# Altium PCB mod_duo_x_cb.PcbDoc
Units mm, origin at the board's own origin, x right, y up, seen from the top; angles counter-clockwise.
Board outline 76 x 68 mm, 4 copper layers (Top Layer, VCC, GND, Bottom Layer), stack 0.739 mm thick; 33 components, 184 nets, 380 pads, 326 vias.
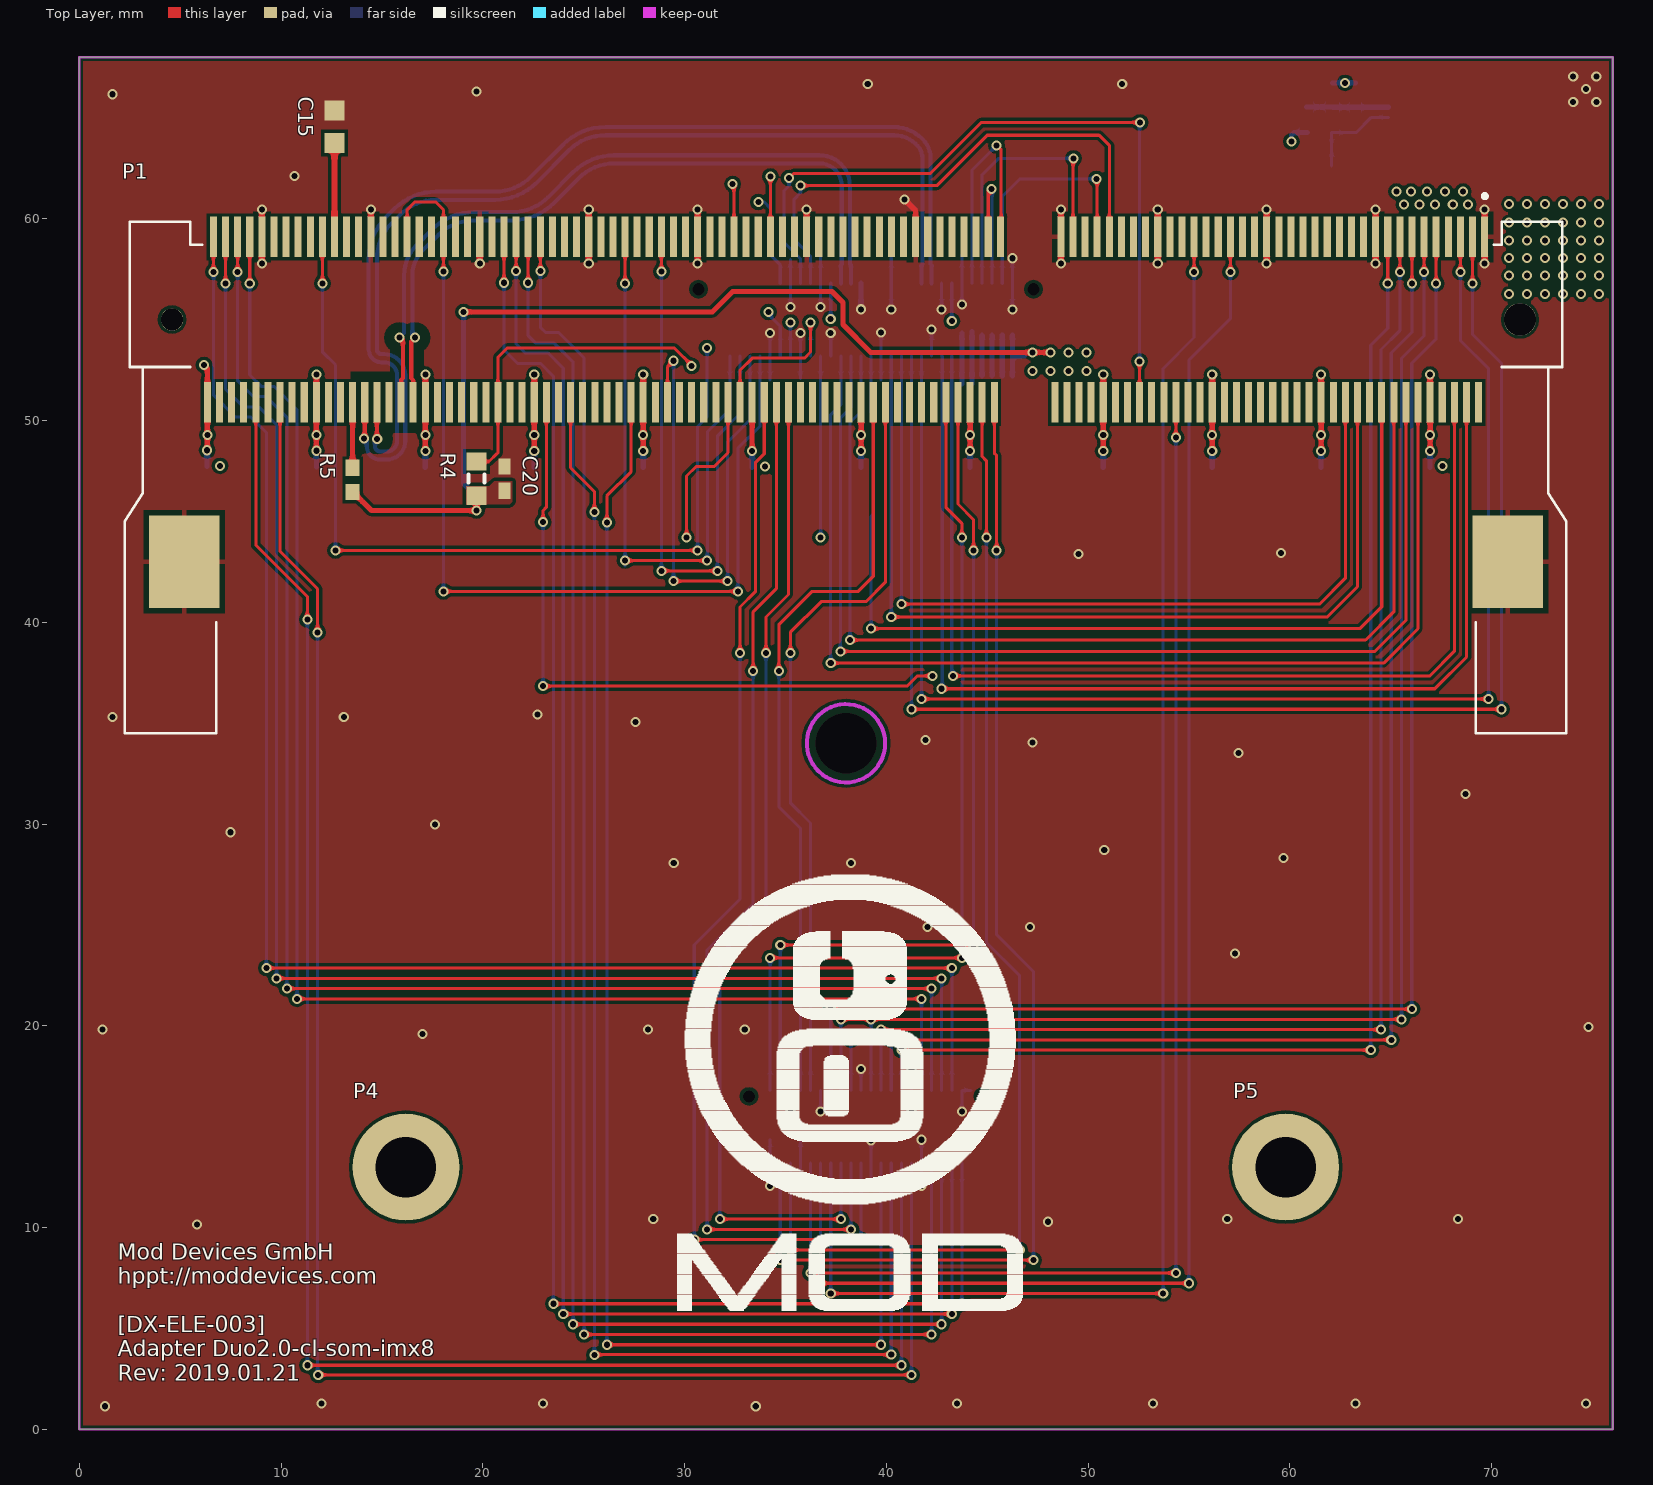
[diagram p0: Top Layer view]
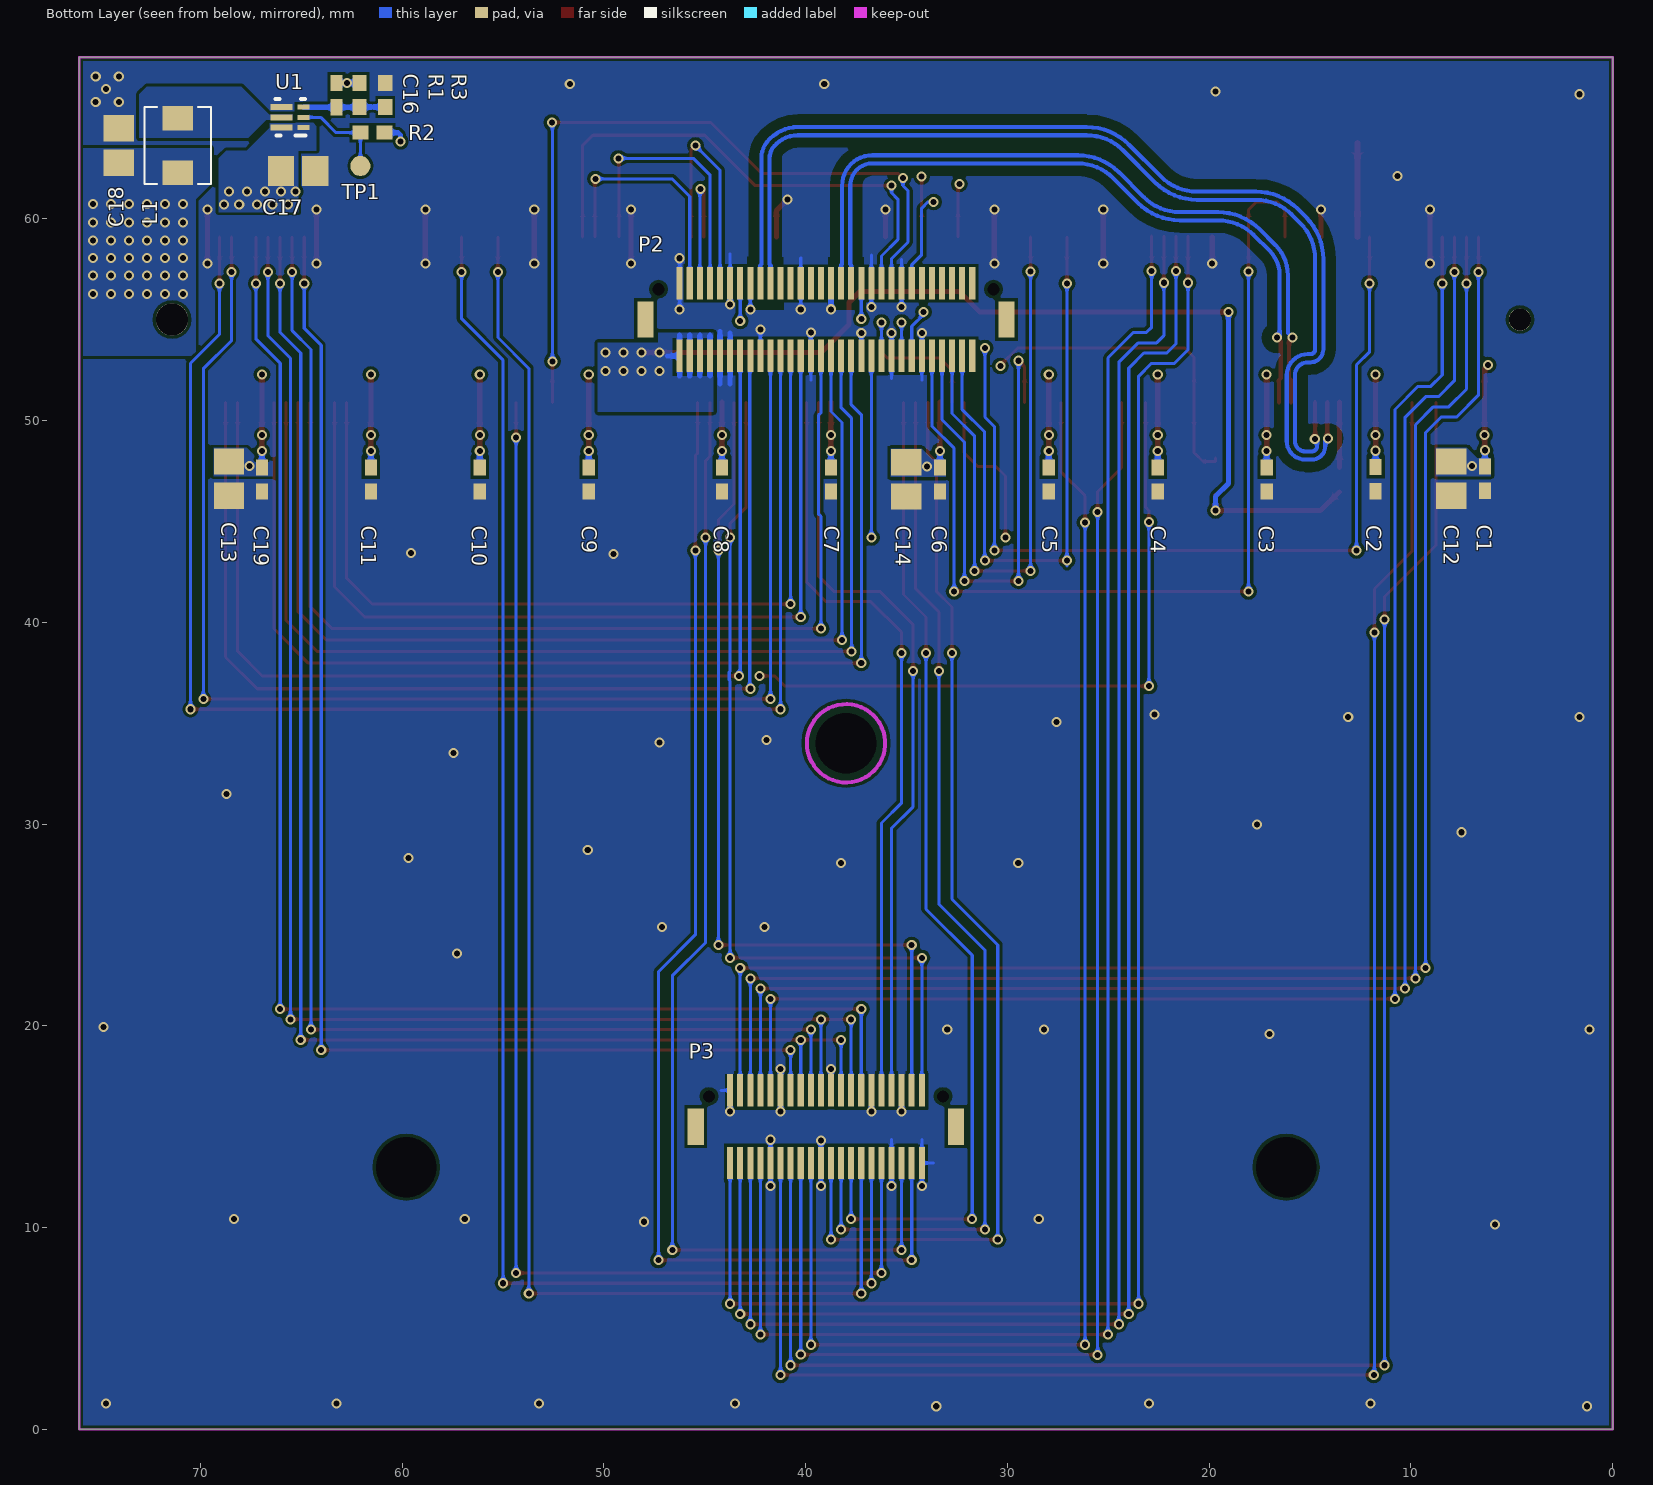
[diagram p1: Bottom Layer view, seen from below]
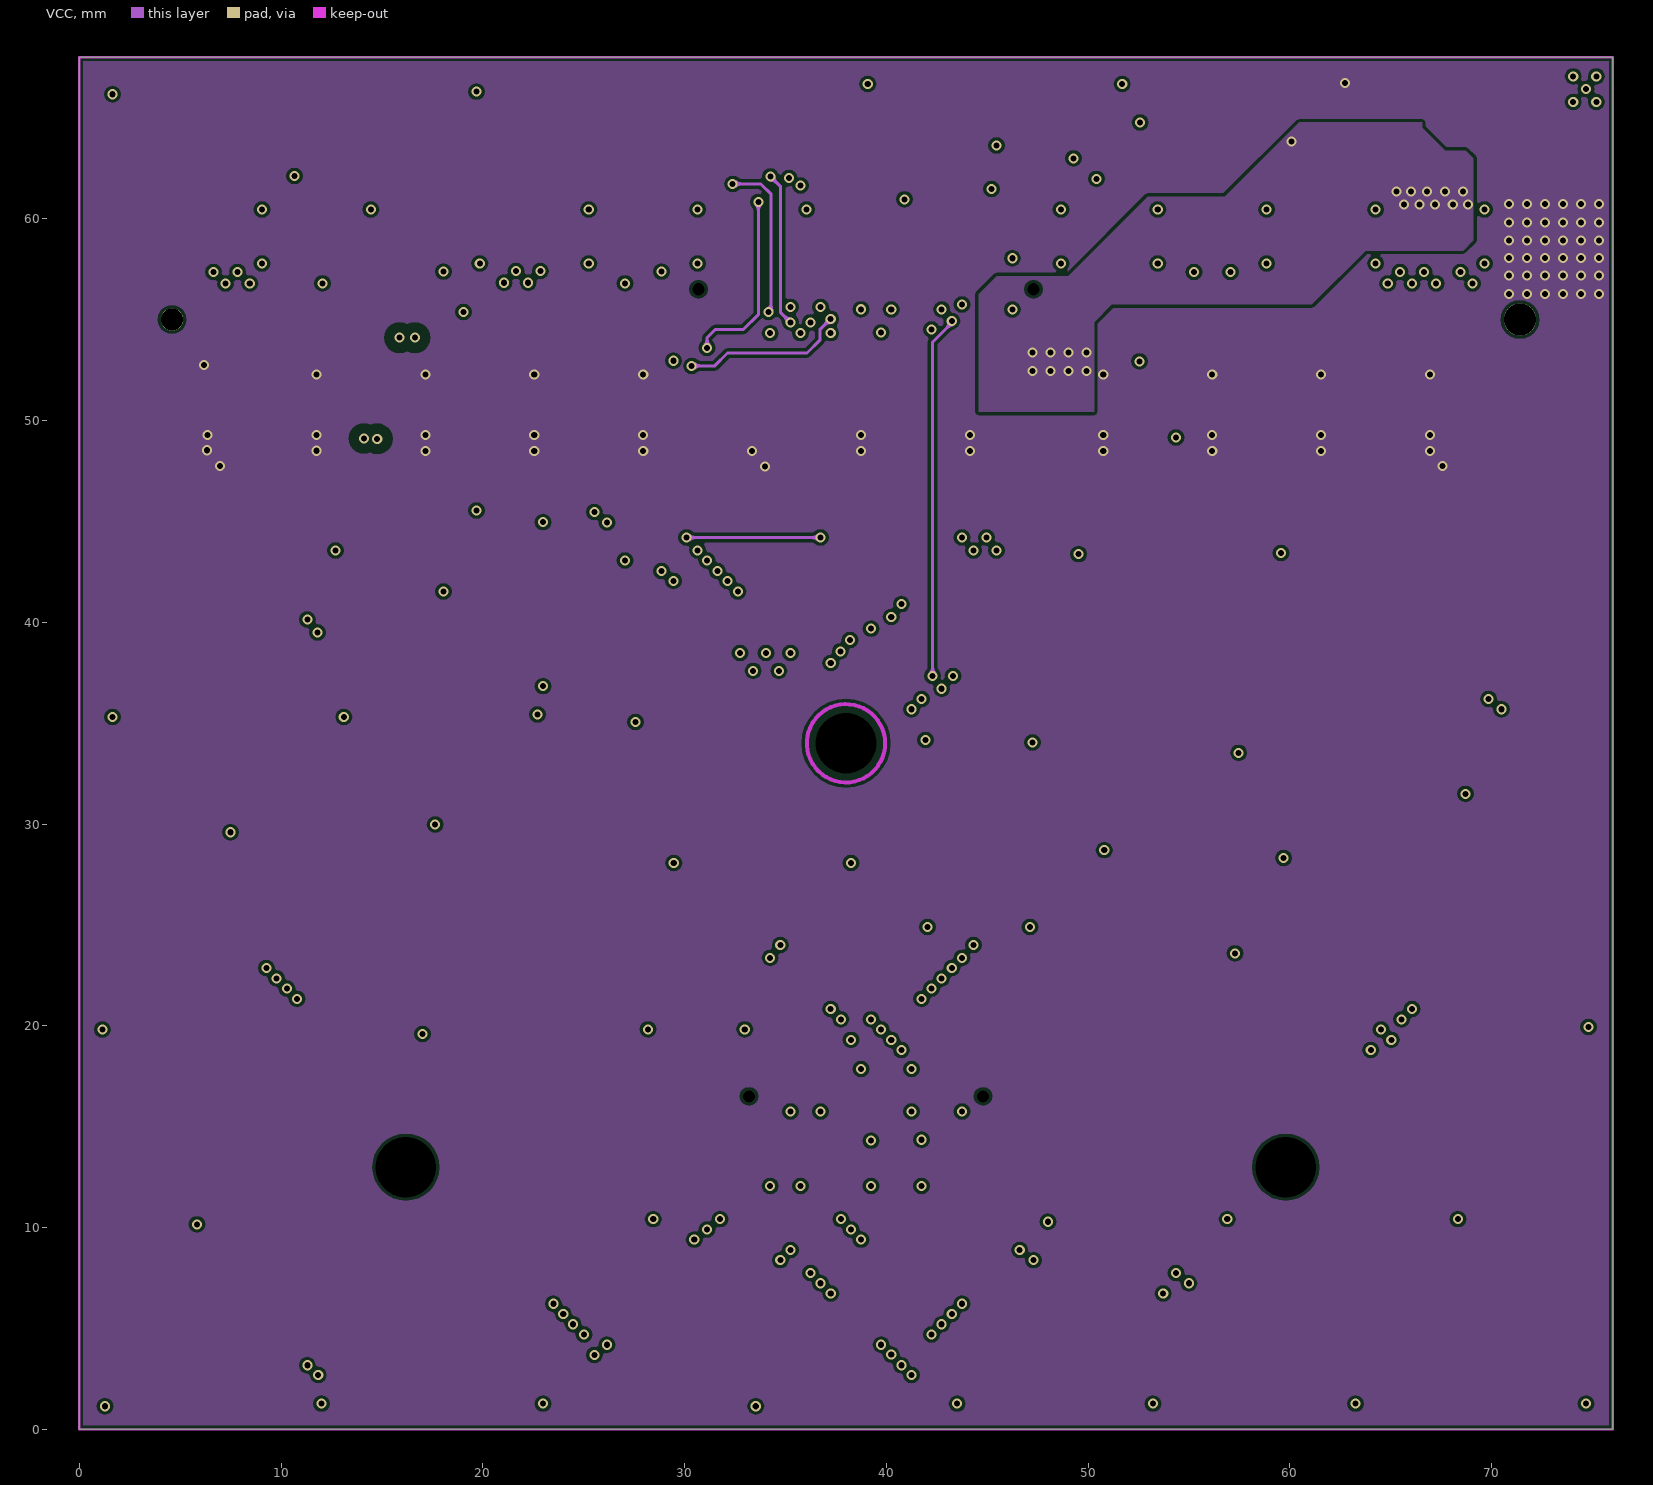
[diagram p2: VCC]
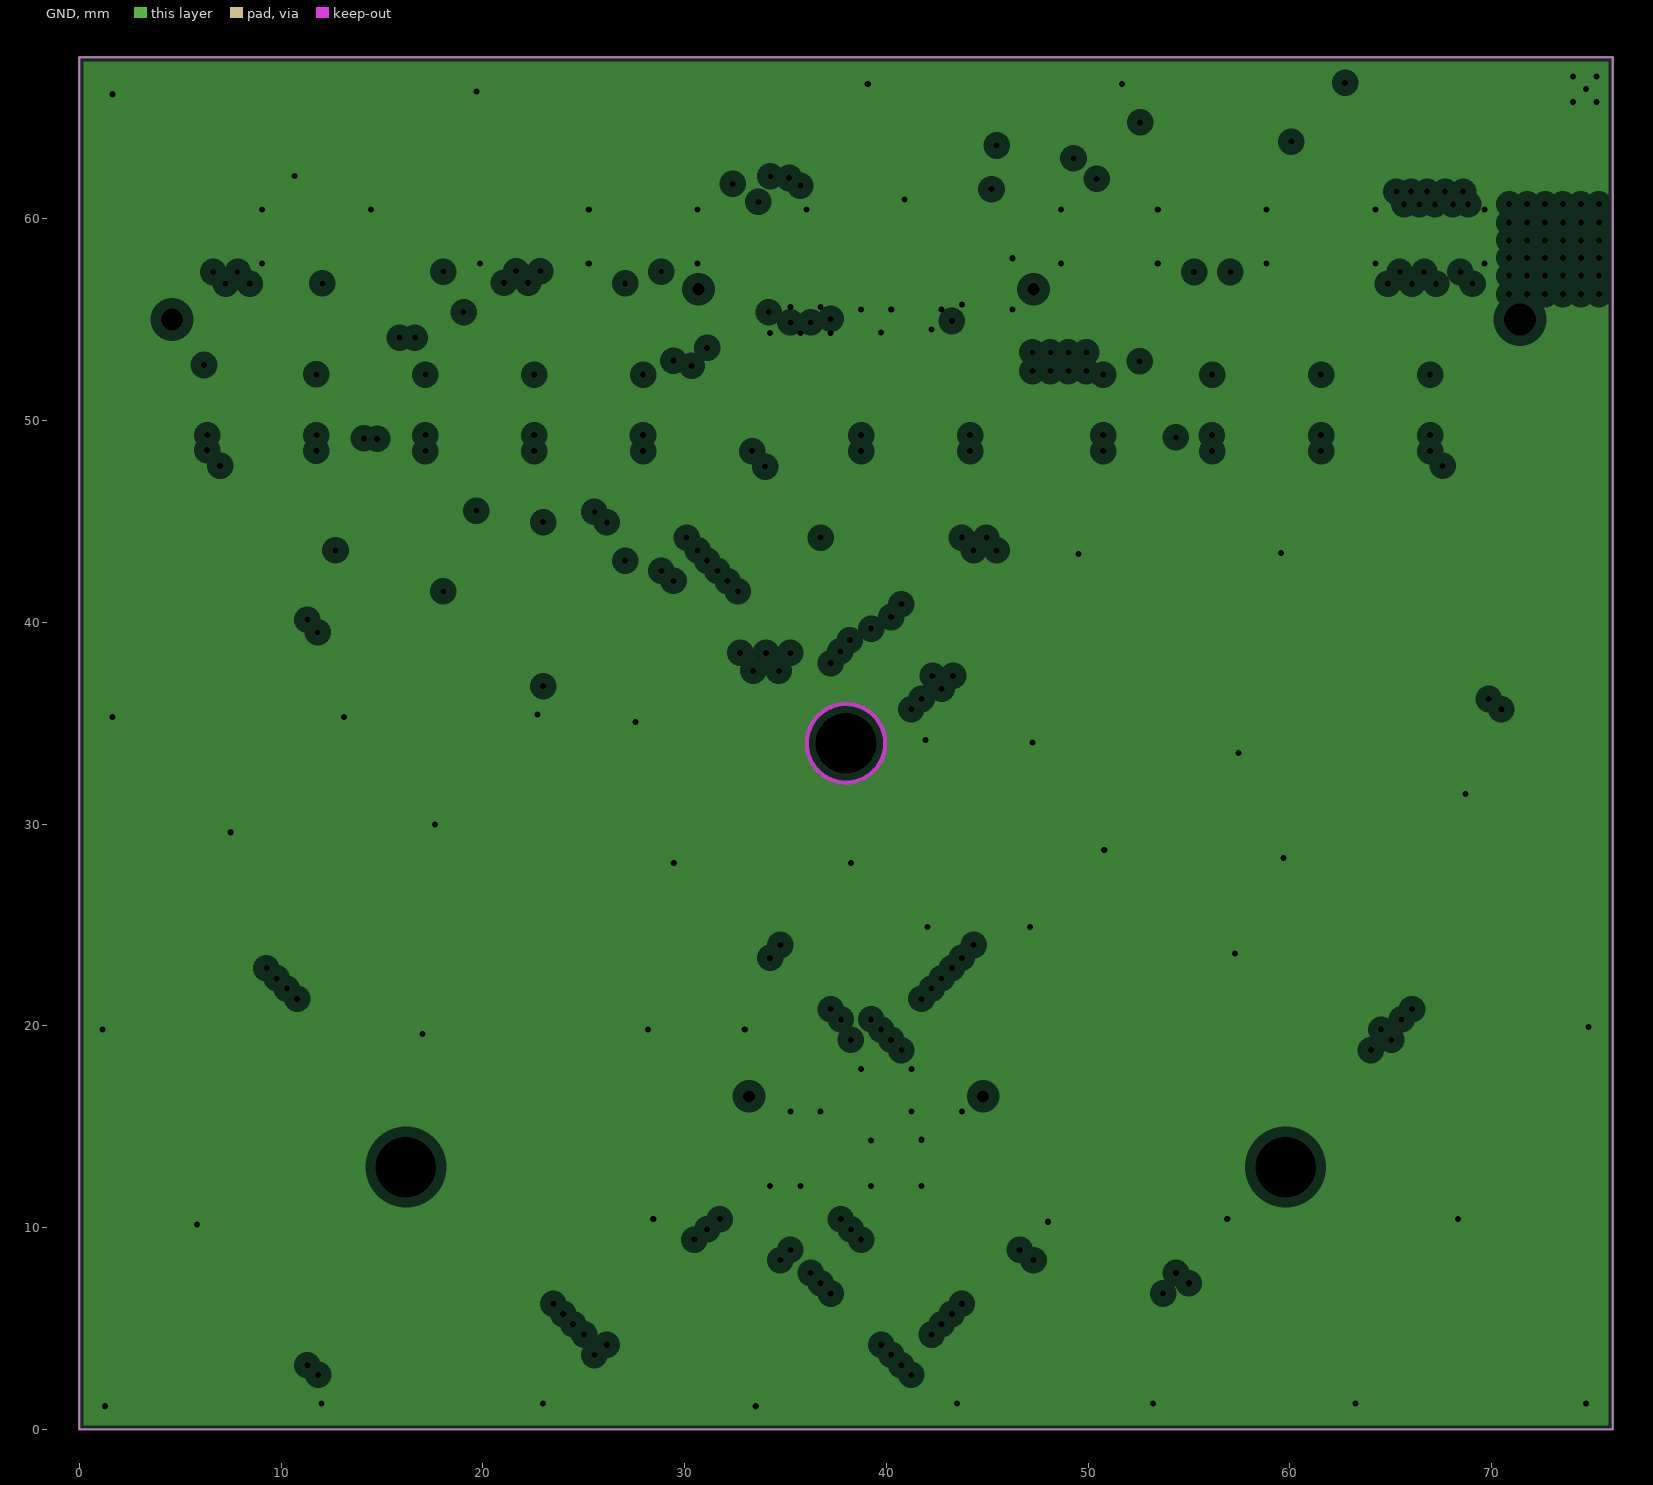
[diagram p3: GND, clearances drawn from the general rule]
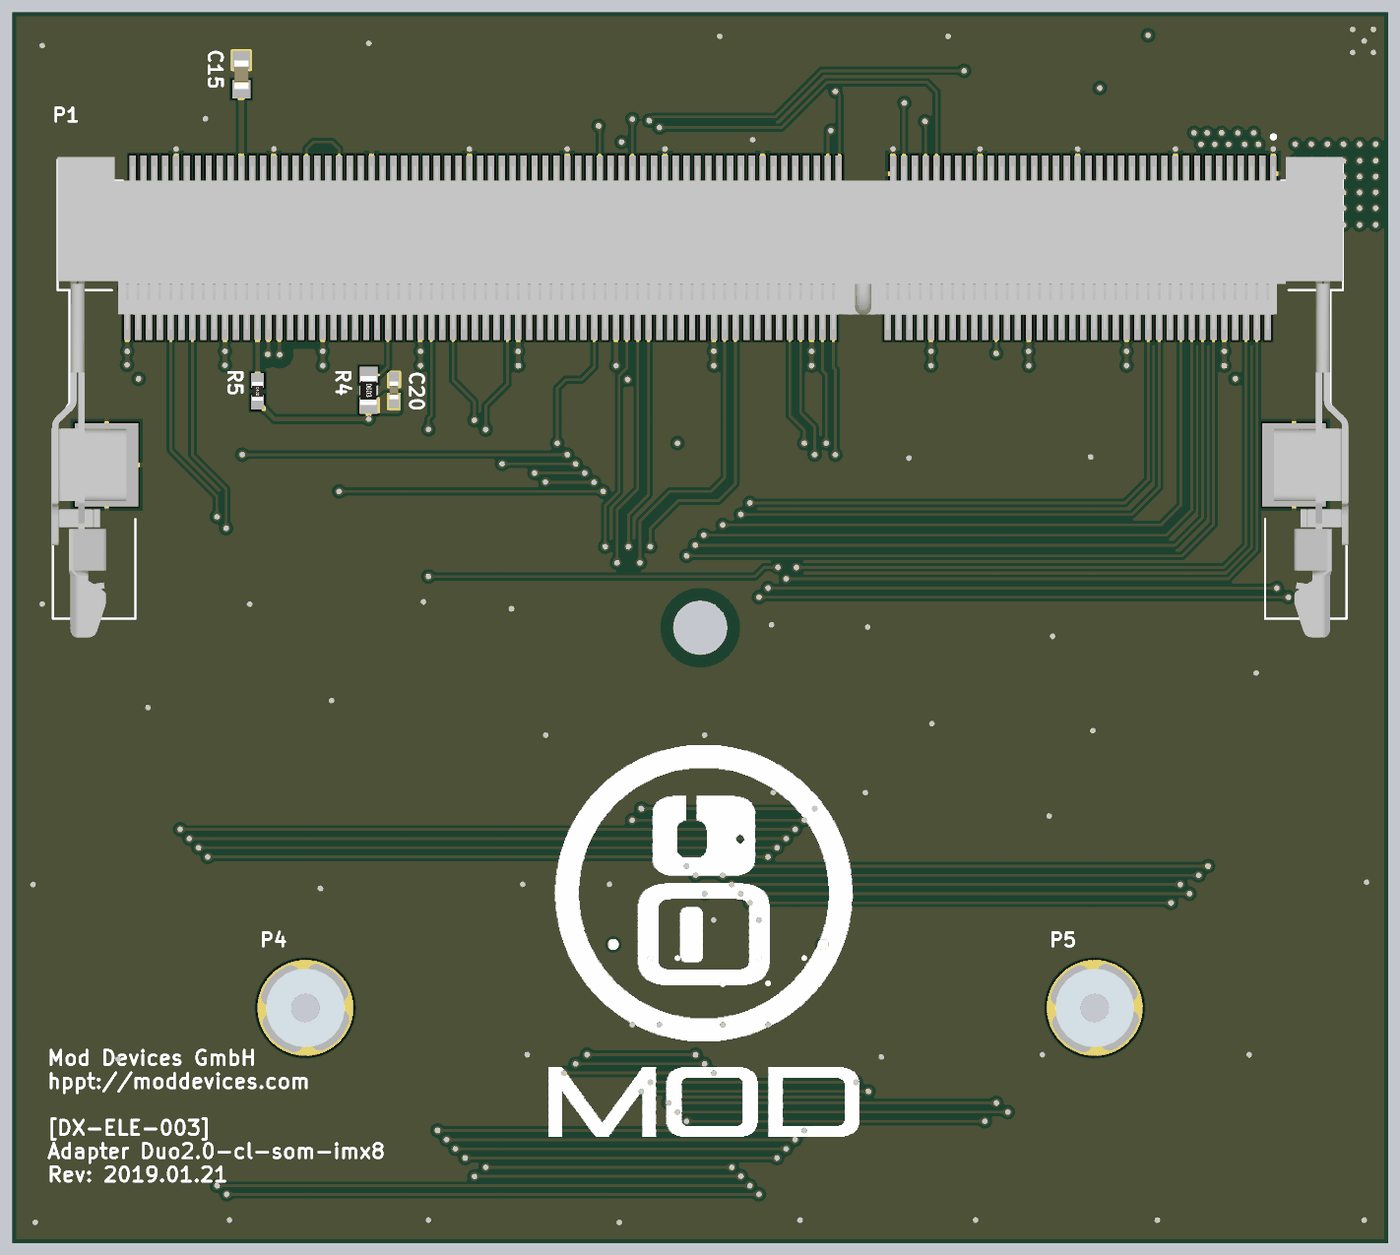
[diagram p4: 3D render of the assembled board from above, using the file's embedded part models]
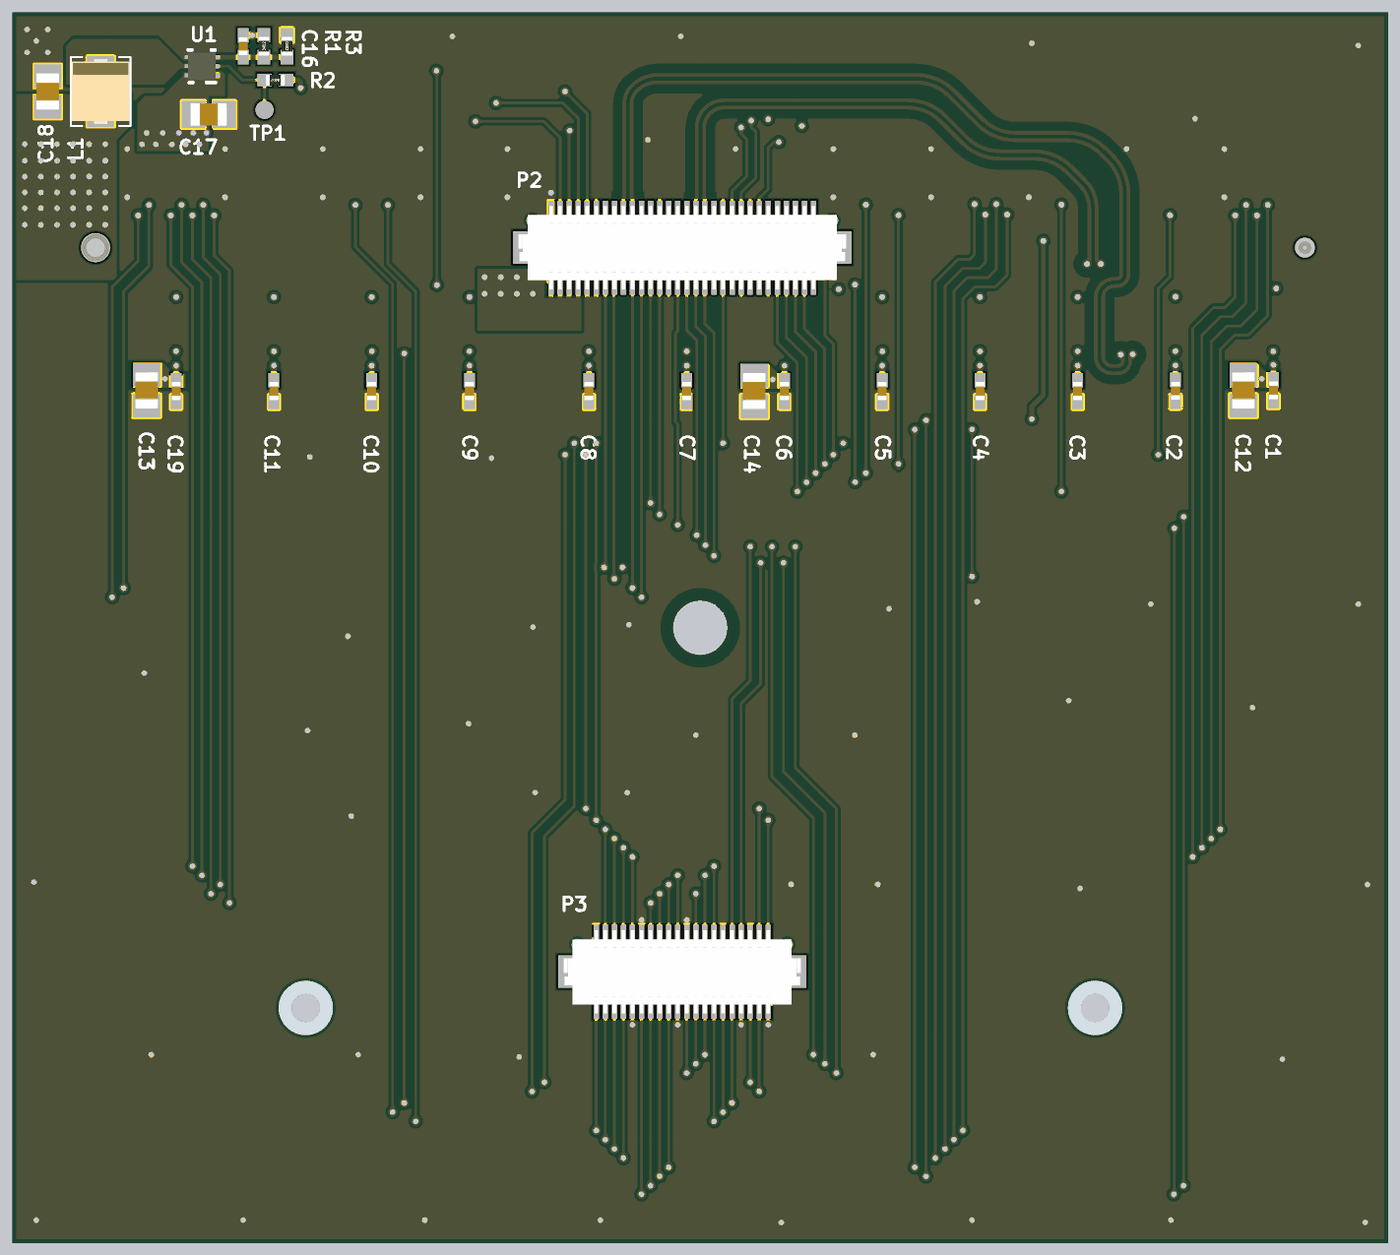
[diagram p5: 3D render of the assembled board from below, using the file's embedded part models]

## Layer stack, top to bottom
Top Solder: solder mask 0.0102, Solder Resist, Dk 3.5
Top Layer: signal copper 0.033
Dielectric 1: core 0.223, FR-4, Dk 4.2
VCC: signal copper 0.036
Dielectric 3: prepreg 0.127, Dk 4.2
GND: plane copper 0.033, net GND
Dielectric 2: core 0.254, Dk 4.2
Bottom Layer: signal copper 0.033
Bottom Solder: solder mask 0.0102, Solder Resist, Dk 3.5

## Board outline
0,0 76,0 76,68 0,68

## Design rules (kind name [scope] priority, off if disabled: settings)
Clearance Clearance_DIFF90 [InPolygon vs (InDifferentialPairClass('All Differential Pairs'))] p1: gap=0.508
Clearance [All] p2: gap=0.152
DiffPairsRouting [All] p1: maxlimit=0.203 minlimit=0.203 mostfreqgap=0.203 toplayer_minwidth=0.203 toplayer_maxwidth=0.203 toplayer_prefwidth=0.203 midlayer1_minwidth=0.203 midlayer1_maxwidth=0.203 midlayer1_prefwidth=0.203 bottomlayer_minwidth=0.203 bottomlayer_maxwidth=0.203 bottomlayer_prefwidth=0.203 maxuncoupledlength=12.7
HoleSize [All] p1: absolutevalues=TRUE maxlimit=5 minlimit=0.025 maxpercent=80.000 minpercent=20.000
MinimumSolderMaskSliver [All] p1: minsoldermaskwidth=0.102
PlaneClearance [All] p1: clearance=0.508
PlaneConnect [All] p1: planeconnectstyle=Direct reliefexpansion=0.508 reliefentries=4 reliefconductorwidth=0.254 reliefairgap=0.254
PolygonConnect PolygonConnect_P1 [HasFootprint('TE_2-2013289-1')] p1: connectstyle=Relief reliefconductorwidth=0.254 reliefentries=4 polygonreliefangle="45 Angle" airgapwidth=0.254
PolygonConnect [All] p2: connectstyle=Direct reliefconductorwidth=0.254 reliefentries=4 polygonreliefangle="90 Angle" airgapwidth=0.254
RoutingVias [All] p1: holewidth=0.711 width=1.27 viastyle="Through Hole" minholewidth=0.711 minwidth=1.27 maxholewidth=0.711 maxwidth=1.27
SilkToSilkClearance [All] p1: silktosilkclearance=0.152
SolderMaskExpansion [All] p1: expansion=0.102
Width [All] p1: maxlimit=10 minlimit=0.152 preferedwidth=0.254
24 further rules are at their usual default settings.

## Classes and differential pairs
differential pair class DIFF90: USB1D USB2D
component class [3]-DCDC-4V2: C16 C17 C18 L1 R1 R2 R3 TP1 U1
component class [2]-INTERFACE_CONNS: P2 P3
component class [1]-SODIMM-COL-SOM-iMX8: C1 C2 C3 C4 C5 C6 C7 C8 C9 C10 C11 C12 C13 C14 C15 C19 C20 P1 P4 P5 R4 R5
differential pair USB2D: +USB2D_P -USB2D_N
differential pair USB1D: +USB1D_P -USB1D_N

## Components (designator, comment, footprint, x,y, rotation, side; value= is the part's Value field where it differs from the comment)
C1 "0.1uF" CAPC1005N 6.34,47.117 r90 bottom
C2 "0.1uF" CAPC1005N 11.75,47.09 r90 bottom
C3 "0.1uF" CAPC1005N 17.15,47.075 r90 bottom
C4 "0.1uF" CAPC1005N 22.55,47.075 r90 bottom
C5 "0.1uF" CAPC1005N 27.95,47.075 r90 bottom
C6 "0.1uF" CAPC1005N 33.35,47.075 r90 bottom
C7 "0.1uF" CAPC1005N 38.75,47.075 r90 bottom
C8 "0.1uF" CAPC1005N 44.15,47.075 r90 bottom
C9 "0.1uF" CAPC1005N 50.75,47.075 r90 bottom
C10 "0.1uF" CAPC1005N 56.15,47.075 r90 bottom
C11 "0.1uF" CAPC1005N 61.55,47.075 r90 bottom
C12 "10uF" CAPC2012N 8.001,47.117 r90 bottom
C13 "10uF" CAPC2012N 68.58,47.117 r90 bottom
C14 "10uF" CAPC2012N 35.017,47.075 r90 bottom
C15 "4.7uF" CAPC1608N 12.65,64.554 r270 top
C16 "120pF" CAPC1005N 63.246,66.124 r90 bottom
C17 "4.7uF" CAPC2012N 65.151,62.357 r0 bottom
C18 "10uF" CAPC2012N 74.041,63.627 r270 bottom
C19 "0.1uF" CAPC1005N 66.95,47.075 r90 bottom
C20 "0.1uF" CAPC1005N 21.082,47.117 r270 top
L1 "470nH" IHLP-1212AE-11 71.12,63.627 r270 bottom
P1 "2-2013289-1" TE_2-2013289-1 38,55 r270 top locked
P2 "DF12(3.0)-60DS-0.5V(86)" DF12-60 38.993,55.001 r180 bottom locked
P3 "DF12(3.0)-40DS-0.5V(86)" DF12-40 38.993,15.001 r180 bottom locked
P4 "9774030243R" 9774030243R 16.063,12.994 r0 top
P5 "9774030243R" 9774030243R 59.663,12.994 r0 top
R1 "604K" RESC1005N 62.103,66.132 r90 bottom
R2 "100K" RESC1005N 61.468,64.262 r0 bottom
R3 "100K" RESC1005N 60.833,66.132 r270 bottom
R4 "0R" RESC1608N 19.685,47.117 r270 top
R5 "100K" RESC1005N 13.55,47.059 r270 top
TP1 "TP_1_MM" TP_1_MM 62.068,62.611 r90 bottom
U1 "TPS62825" DMQ0006A 65.531,65.024 r0 bottom
